# Altium PCB PCB1.PcbDoc (part 3 of 3)
Units mm, origin at the board's own origin, x right, y up, seen from the top; angles counter-clockwise.
Board outline 100 x 72 mm, 4 copper layers (Top Layer(signal), Int1 (GND), Int2 (3v3), Bottom Layer(powersupply_signals)), stack 1.509 mm thick; 175 components, 113 nets, 586 pads, 227 vias.
Unrouted connection lines stored in the file: 49.
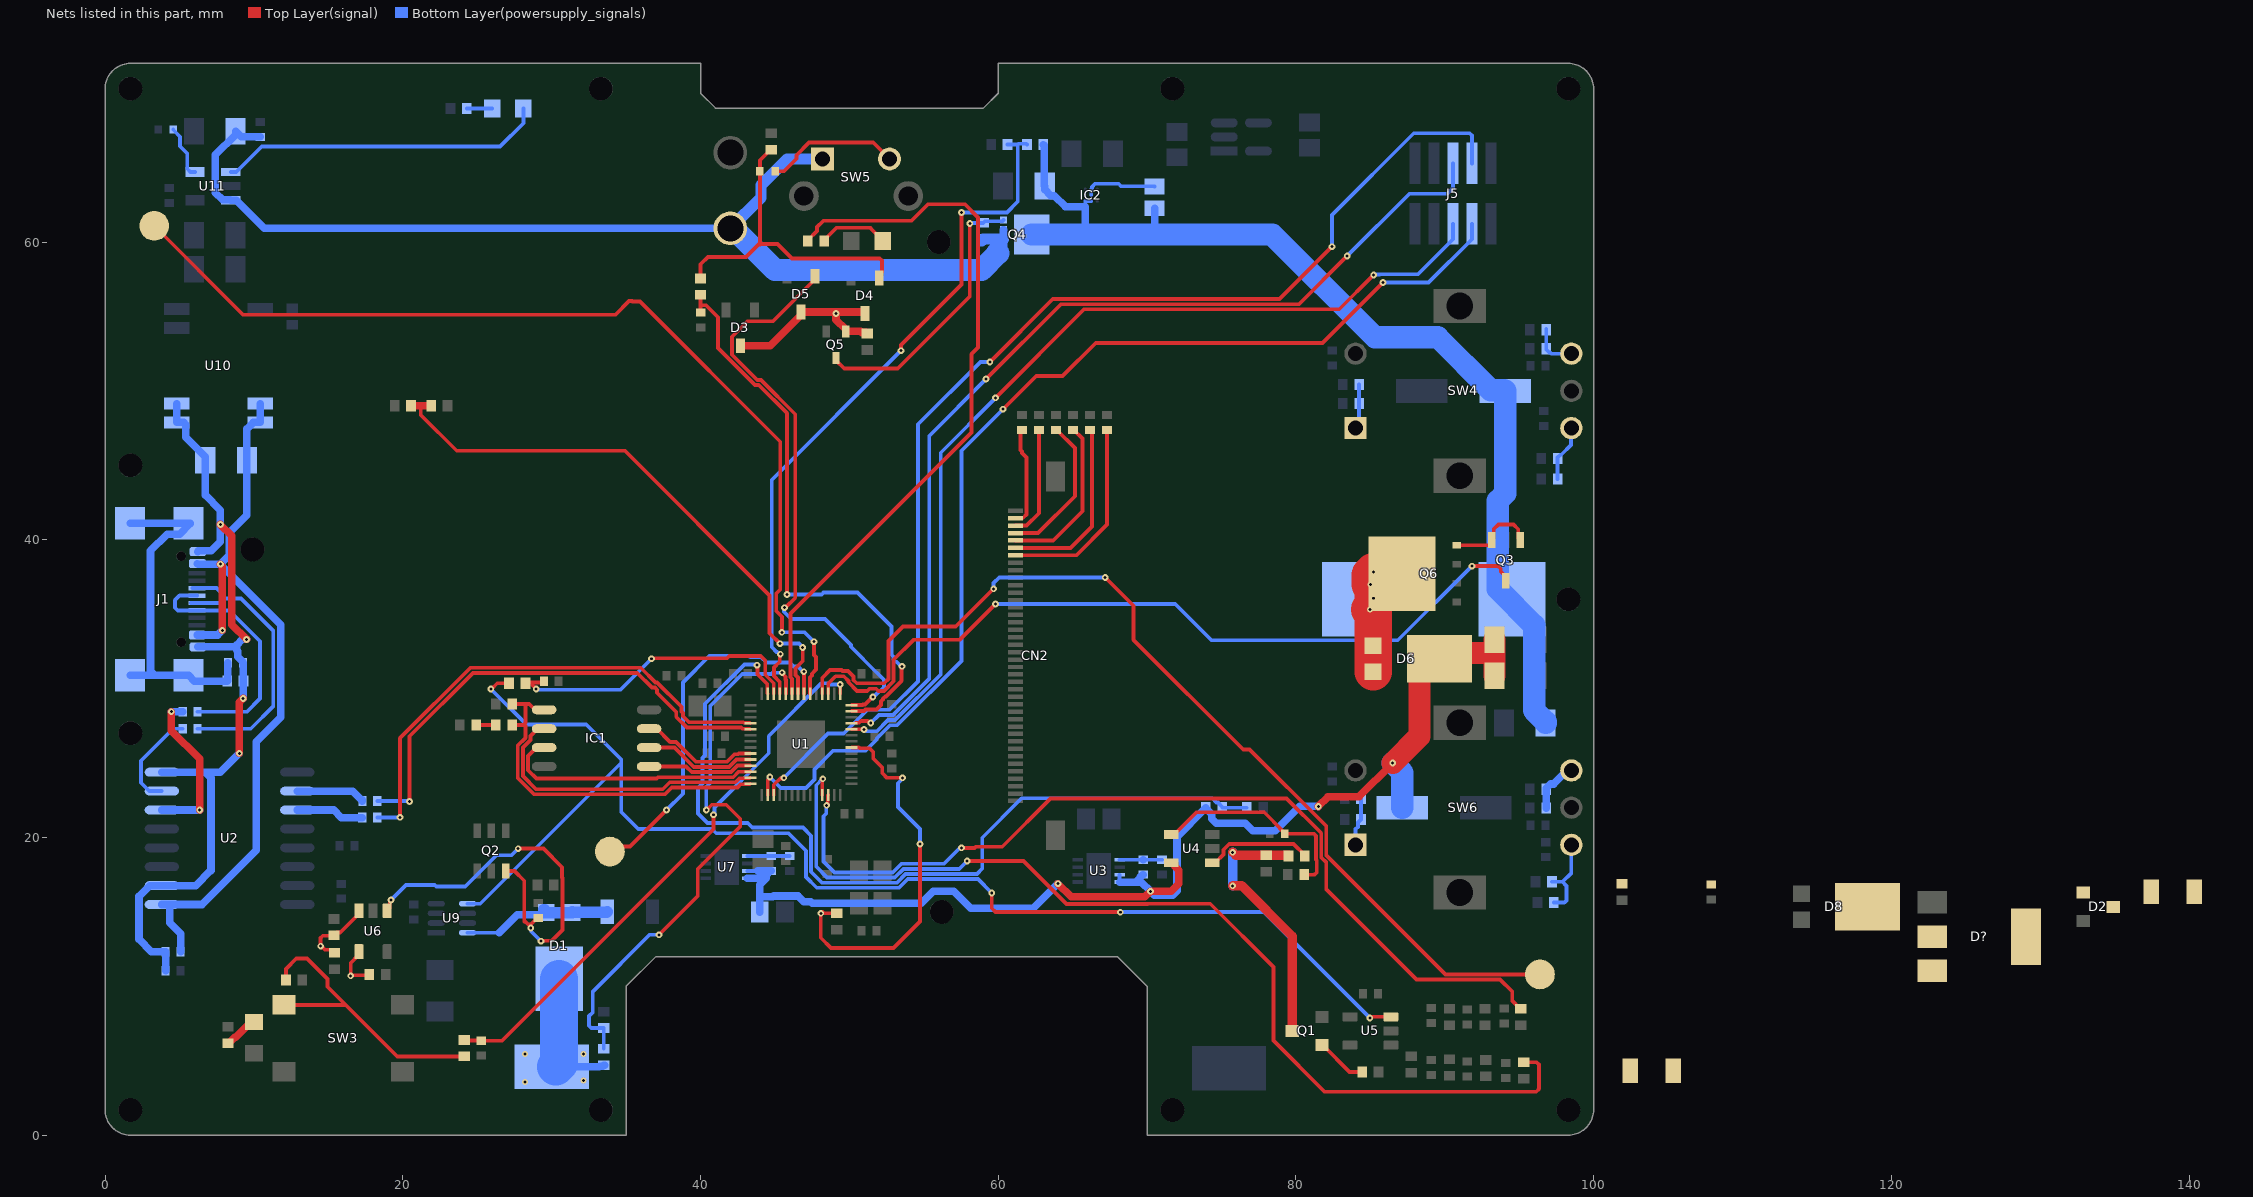
[diagram p5: the nets of this part, all layers, seen from the top]

## Via types
v1: diameter 0.45, hole 0.2, Top Layer(signal) to Bottom Layer(powersupply_signals), tented both sides, 207 vias
v2: diameter 0.4, hole 0.2, Top Layer(signal) to Bottom Layer(powersupply_signals), tented both sides, 12 vias
v3: diameter 0.5, hole 0.2, Top Layer(signal) to Bottom Layer(powersupply_signals), tented both sides, 8 vias

## Nets (pads, with @x,y where several pads share a name; then routed paths per layer and width w, separated by ;. In a path a pad name is that pad's centre, name@x,y a point inside that pad or via, vN(x,y) a via of type N, cw(c..) or ccw(c..) an arc to the next point about the centre after c; other vN are vias at no path point) (continued)
NetC40_2: C40.2 Q2.3 U6.1 | length 27.2
  Top Layer(signal) w0.254: U6.1@18.95,15.075 19.123,15.248 19.123,15.67 19.2,15.747 v1(19.2,15.8) ; Q2.3@26.9,17.75 27.501,17.75 28.162,17.089 28.162,14.354 28.21,14.354 28.402,14.162 28.612,14.162 29.05,14.6 C40.2@29.1,14.6 ; v1(27.75,19.25) 29.45,19.25 30.7,18 30.7,17.309 30.729,17.28 30.729,13.782 30.014,13.067 29.314,13.067 v1(29.276,13.029) ; v1(28.594,13.922) 28.594,14.162
  Bottom Layer(powersupply_signals) w0.254: v1(19.2,15.8) 20.207,16.807 22.15,16.807 22.257,16.7 24.2,16.7 26.3,18.8 27.3,18.8 v1(27.75,19.25) ; v1(28.594,13.922) 28.632,13.885 28.632,13.674 v1(29.276,13.029)
NetC42_2: C42.2 R46.1 U1.40 | length 20.8
  Top Layer(signal) w0.254: R46.1@28.236,30.353 28.299,30.416 28.702,30.416 ; v1(28.956,29.972) 28.702,30.226 28.702,30.416 ; C42.2@29.472,30.48 29.408,30.416 28.702,30.416 ; v1@36.674,32.033 41.786,32.033 41.933,32.18 44.05,32.18 44.346,31.884 44.346,30.931 44.921,30.356 U1.40@44.921,29.654
  Bottom Layer(powersupply_signals) w0.254: v1(28.956,29.972) 29.009,29.972 29.058,29.923 34.622,29.923 v1(36.703,32.004)
NetC43_2: C43.2 R44.1 U1.27 | length 39.8
  Top Layer(signal) w0.254: C43.2@40,55.25 40,55.753 ; R44.1@40,56.45 40,55.753 ; v1(45.806,36.326) 45.806,48.504 43.917,50.392 43.663,50.392 41.168,52.887 41.168,54.944 40.359,55.753 40,55.753 ; U1.27@50.154,28.485 50.169,28.501 50.976,28.501 51.062,28.587 51.82,28.587 52.131,28.898 52.131,29.144 52.258,29.271 52.258,29.323 52.407,29.472 52.459,29.472 53.507,30.52 53.507,31.476 v1(53.528,31.497)
  Bottom Layer(powersupply_signals) w0.254: v1(45.806,36.326) 48.141,36.326 48.264,36.449 50.546,36.449 52.832,34.163 52.832,32.28 52.947,32.165 52.947,31.953 53.096,31.804 53.168,31.804 53.475,31.497 v1(53.528,31.497)
NetC57_2: C57.2 R53.2 U7.5 | length 2.9
  Bottom Layer(powersupply_signals) w0.254: U7.5@43.15,18.75 R53.2@44.75,18.75 C57.2@46,18.75
NetC58_2: C58.2 R57.2 U3.5 | length 2.9
  Bottom Layer(powersupply_signals) w0.254: U3.5@68.15,18.5 R57.2@69.75,18.5 C58.2@71,18.5
NetC59_2: C59.2 D2.1 D?.3 R62.2
NetCN2_34: CN2.34 R1.1 | length 13.4
  Top Layer(signal) w0.254: CN2.34@61.15,38.95 65.239,38.95 67.31,41.021 R1.1@67.31,47.379
NetCN2_35: CN2.35 R2.1 | length 12.3
  Top Layer(signal) w0.254: CN2.35@61.15,39.45 64.85,39.45 66.294,40.894 66.294,47.252 R2.1@66.167,47.379
NetCN2_36: CN2.36 R3.1 | length 11.1
  Top Layer(signal) w0.254: CN2.36@61.15,39.95 63.699,39.95 65.659,41.91 65.659,46.794 65.074,47.379 R3.1@65.024,47.379
NetCN2_37: CN2.37 R4.1 | length 10
  Top Layer(signal) w0.254: CN2.37@61.15,40.45 62.675,40.45 65.151,42.926 65.151,46.159 63.931,47.379 R4.1@63.881,47.379
NetCN2_38: CN2.38 R5.1 | length 7.5
  Top Layer(signal) w0.254: CN2.38@61.15,40.95 61.905,40.95 62.738,41.783 R5.1@62.738,47.379
NetCN2_39: CN2.39 R6.1 | length 6.8
  Top Layer(signal) w0.254: CN2.39@61.15,41.45 61.173,41.473 61.682,41.473 61.904,41.695 61.904,45.517 61.595,45.826 61.595,45.932 61.495,46.032 61.495,47.279 R6.1@61.595,47.379
NetD1_1: D1.1 D2.3 D8.1 D?.2 D?.4 F?.1 R24.2 | length 9.6
  Bottom Layer(powersupply_signals) w0.508: 30,4.6 30.27,4.6 33.208,4.6 33.237,4.629 33.429,4.629 R24.2@33.5,4.7 R24.2@33.55,4.7
  Bottom Layer(powersupply_signals) w2.54: 30.27,4.6 30.5,4.83 D1.1@30.5,10.5
  other v2: 28.194,3.556 32.131,3.683 28.194,5.461 32.131,5.461
NetD1_2: D1.2 R54.2 U9.8 | length 10.4
  Bottom Layer(powersupply_signals) w0.254: U9.8@24.352,13.6 26.482,13.6
  Bottom Layer(powersupply_signals) w0.508: 26.482,13.6 27.688,14.806 29.481,14.806 D1.2@29.625,14.95
  Bottom Layer(powersupply_signals) w0.762: D1.2@29.456,15.144 29.625,14.975 D1.2@29.625,14.95 ; D1.2@29.525,15.144 29.719,14.95 D1.2@31.375,14.95 ; D1.2@31.375,15 31.4,14.975 33.7,14.975 R54.2@33.725,15
NetD3_2: D3.2 D4.2 D5.2 Q5.1 R45.1 | length 12.4
  Top Layer(signal) w0.508: D3.2@42.672,53.029 44.679,53.029 46.75,55.1 D5.2@46.75,55.3 49.1,55.3 51.008,55.3 51.054,55.254 D4.2@51.054,55.188 ; v1(49.1,55.2) 49.1,54.792 Q5.1@49.746,54.146 ; Q5.1@49.75,54 50.77,54 50.849,53.921 51.129,53.921 R45.1@51.2,53.85
NetD4_1: D4.1 R30.2 R44.2 R75.2 | length 22.1
  Top Layer(signal) w0.254: R44.2@40,57.55 40,58.5 40.5,59 43.051,59 43.926,59.875 45.162,59.875 46.137,58.9 52.034,58.9 52.183,58.751 52.183,57.967 52.177,57.961 52.177,57.761 D4.1@52.004,57.588 ; 43.992,59.809 R30.2@43.992,64.75 43.992,65.492 44.7,66.2 R75.2@44.75,66.2
NetD5_1: D5.1 U1.28 | length 40
  Top Layer(signal) w0.254: v1(45.642,35.433) 45.68,35.471 45.738,35.471 46.363,36.095 46.363,48.433 44.059,50.736 43.805,50.736 42.118,52.424 42.118,53.634 43.159,54.675 44.875,54.675 47.7,57.5 D5.1@47.7,57.7 ; U1.28@50.154,28.892 50.88,28.892 50.919,28.931 51.041,28.931 51.546,29.435 v1(51.574,29.435)
  Bottom Layer(powersupply_signals) w0.254: v1(45.642,35.433) 45.604,35.395 45.604,35.19 45.593,35.179 46.101,34.671 48.361,34.671 50.1,32.932 50.1,32.805 51.839,31.066 51.85,31.066 52.318,30.598 52.318,30.079 52.071,29.832 52.024,29.832 51.627,29.435 v1(51.574,29.435)
NetD6_2: D6.2 L2.2 Q6.2 | length 9.1
  Top Layer(signal) w2.54: D6.2@85.188,31.129 85.188,35.531 v2(84.963,35.306) 85.217,35.56 Q6.2@85.217,36.783 ; Q6.2@85.979,36.83 85.17,36.83 v2(85,37) 85,37.629 v2(85.217,37.846) Q6.2@86.044,37.846
  other v2: 85.217,36.068
NetF1_2: F1.2 J2.1
NetF?_2: F?.2 J3.1
NetIC1_1: IC1.1 R7.1 R8.1 U1.56 | length 24.8
  Top Layer(signal) w0.254: R8.1@27.347,27.559 28.087,27.559 ; R7.1@27.347,28.956 28.236,28.956 ; IC1.1@29.495,28.575 28.876,28.575 28.495,28.956 28.236,28.956 ; U1.56@43.346,23.608 43.308,23.57 42.692,23.57 42.482,23.36 38.07,23.36 37.607,22.897 28.814,22.897 27.723,23.988 27.723,26.177 28.236,26.69 28.236,27.503 28.18,27.559 28.087,27.559 ; 28.087,27.559 28.162,27.633 28.236,27.708 28.236,28.956
NetIC1_2: IC1.2 U1.55 | length 20
  Top Layer(signal) w0.254: IC1.2@29.495,27.305 29.064,27.305 28.58,26.821 28.58,26.548 28.067,26.035 28.067,24.13 28.956,23.241 37.465,23.241 37.928,23.704 42.339,23.704 42.612,23.977 43.308,23.977 U1.55@43.346,24.015
NetIC1_3: IC1.3 U1.54 | length 17.6
  Top Layer(signal) w0.254: IC1.3@29.495,26.035 28.97,26.035 28.416,25.481 28.416,24.517 28.979,23.954 37.042,23.954 37.136,24.048 42.197,24.048 42.559,24.41 43.336,24.41 U1.54@43.346,24.421
NetIC1_5: IC1.5 U1.53 | length 7.1
  Top Layer(signal) w0.254: IC1.5@36.545,24.765 39.032,24.765 39.405,24.392 42.054,24.392 42.49,24.828 U1.53@43.346,24.828
NetIC1_6: IC1.6 U1.52 | length 7.5
  Top Layer(signal) w0.254: IC1.6@36.545,26.035 38.249,26.035 39.548,24.736 41.912,24.736 42.41,25.234 U1.52@43.346,25.234
NetIC1_7: IC1.7 U1.51 | length 8
  Top Layer(signal) w0.254: IC1.7@36.545,27.305 37.07,27.305 37.959,26.416 38.354,26.416 39.69,25.08 41.769,25.08 42.277,25.588 42.531,25.588 42.584,25.64 U1.51@43.346,25.64
NetIC2_B1: IC2.B1 IC2.B2 L1.1 | length 4.9
  Bottom Layer(powersupply_signals) w0.254: IC2.B2@66.25,63.15 IC2.B1@66.25,63.55 66.291,63.591 66.291,63.699 66.501,63.909 68.091,63.909 68.25,63.75 70.476,63.75 L1.1@70.5,63.726
NetLED1_2: LED1.2 R10.1 | length 4.7
  Top Layer(signal) w0.254: R10.1@48.302,60.071 48.302,60.121 49.141,60.96 51.435,60.96 51.435,60.917 52.231,60.121 LED1.2@52.231,60.071
NetLED4_2: LED4.2 R23.1 | length 2.3
  Top Layer(signal) w0.508: R23.1@8.255,6.181 8.305,6.181 8.699,6.575 8.788,6.575 9.517,7.304 9.704,7.304 LED4.2@10,7.6
NetLED5_1: LED5.1 U11.1 | length 22
  Bottom Layer(powersupply_signals) w0.254: U11.1@8.439,64.704 8.814,64.704 10.526,66.416 26.537,66.416 28.101,67.98 LED5.1@28.101,68.961
NetLED5_2: LED5.2 R56.1 | length 1.7
  Bottom Layer(powersupply_signals) w0.254: R56.1@24.299,68.961 LED5.2@26.001,68.961
NetQ1_1: Q1.1 R39.1 | length 3.4
  Top Layer(signal) w0.254: Q1.1@81.75,6.05 81.8,6.05 83.6,4.25 R39.1@84.45,4.25
NetQ1_3: Q1.3 R29.1 R31.1 | length 17.9
  Top Layer(signal) w0.635: v1(75.75,16.75) 76.367,16.75 79.75,13.367 Q1.3@79.75,7 ; v1(75.75,19) 75.95,18.8 79.493,18.8 79.5,18.793 R31.1@79.5,18.75
  Bottom Layer(powersupply_signals) w0.635: v1(75.75,16.75) v1(75.75,19)
NetQ3_2: Q3.2 U1.31 | length 54
  Top Layer(signal) w0.254: U1.31@48.579,29.654 48.579,30.334 49.077,30.832 49.401,30.832 49.624,30.832 49.94,30.516 49.94,30.42 50.515,29.845 51.196,29.845 51.343,29.992 51.805,29.992 51.952,29.845 52.324,29.845 52.971,30.492 52.971,31.94 54.305,33.274 57.404,33.274 v1(59.817,35.687) ; v1(91.821,38.227) 93.577,38.227 93.757,38.047 93.757,37.858 94.107,37.508 Q3.2@94.107,37.233
  Bottom Layer(powersupply_signals) w0.254: v1(59.817,35.687) 71.892,35.687 74.333,33.246 86.84,33.246 v1(91.821,38.227)
NetQ3_4: Q3.4 Q3.6 Q6.3 | length 6.1
  Top Layer(signal) w0.254: Q6.3@90.797,39.624 93.034,39.624 93.157,39.747 Q3.6@93.157,39.983 93.28,40.106 93.28,40.702 93.599,41.021 94.615,41.021 94.934,40.702 94.934,40.106 Q3.4@95.057,39.983
NetQ4_1: Q4.1 Q5.3 R72.2 | length 18.6
  Top Layer(signal) w0.254: Q5.3@49.1,52.2 49.1,52.05 49.65,51.5 53.25,51.5 58.088,56.338 v1(58.088,61.25)
  Bottom Layer(powersupply_signals) w0.254: v1(58.088,61.25) 58.113,61.275 58.975,61.275 59.088,61.388 60.264,61.388 Q4.1@60.352,61.475
NetR8_2: R8.2 R11.2 | length 1.3
  Top Layer(signal) w0.254: R11.2@24.934,27.559 R8.2@26.247,27.559
NetR9_1: R9.1 U1.21 | length 25.5
  Top Layer(signal) w0.254: v1(48.078,14.904) 48.078,13.263 48.768,12.573 52.959,12.573 54.737,14.351 v1(54.737,19.558) ; v1@48.133,14.986 48.186,14.986 48.271,14.901 R9.1@49.149,14.901 ; U1.21@50.154,26.047 50.635,26.047 50.696,25.986 51.357,25.986 51.601,25.742 51.601,25.309 52.209,24.701 52.209,24.32 52.526,24.003 v1(53.568,24.003)
  Bottom Layer(powersupply_signals) w0.254: v1(53.568,24.003) 53.568,23.95 53.262,23.644 53.262,22.049 54.737,20.574 v1(54.737,19.558)
NetR10_2: R10.2 U1.37 | length 50.3
  Top Layer(signal) w0.254: U1.37@46.14,29.654 46.14,30.664 46.043,30.762 46.043,35.046 58.203,47.206 58.203,52.466 58.645,52.908 58.645,61.65 57.762,62.533 55.275,62.533 54.168,61.426 48.253,61.426 47.826,61 47.826,60.746 47.202,60.121 R10.2@47.202,60.071
NetR13_2: R13.2 U2.7 | length 6.8
  Bottom Layer(powersupply_signals) w0.254: U2.7@3.81,23.114 2.96,23.114 2.406,23.668 2.406,25.152 4.559,27.305 R13.2@5.215,27.305
NetR14_1: R14.1 U2.10 | length 4.7
  Bottom Layer(powersupply_signals) w0.508: U2.10@12.91,23.114 13.44,23.114 16.62,23.114 17.215,22.519 17.265,22.519 17.286,22.498 R14.1@17.286,22.448
NetR14_2: R14.2 U1.47 | length 33.1
  Top Layer(signal) w0.254: v1(20.447,22.417) 20.447,26.797 24.704,31.054 35.748,31.054 36.732,30.07 36.935,30.07 37.084,29.921 37.084,29.718 38.372,28.43 38.372,28.101 39.082,27.391 42.733,27.391 42.82,27.304 43.308,27.304 U1.47@43.346,27.266
  Bottom Layer(powersupply_signals) w0.254: R14.2@18.286,22.448 20.416,22.448 v1(20.447,22.417)
NetR15_2: R15.2 U2.6 | length 10.7
  Top Layer(signal) w0.508: v1(4.445,28.448) 4.445,27.178 6.35,25.273 v1(6.35,21.844)
  Bottom Layer(powersupply_signals) w0.508: U2.6@3.81,21.844 4.064,21.844 v1(6.35,21.844) ; v1(4.445,28.448) R15.2@5.215,28.448
NetR16_1: R16.1 U2.11 | length 4.6
  Bottom Layer(powersupply_signals) w0.508: U2.11@12.91,21.844 13.44,21.844 15.367,21.844 15.875,21.336 R16.1@17.28,21.336
NetR16_2: R16.2 U1.46 | length 34.2
  Top Layer(signal) w0.254: v1(19.806,21.351) 19.806,21.436 19.812,21.442 19.812,26.67 24.54,31.398 35.987,31.398 36.971,30.414 37.078,30.414 38.716,28.775 38.716,28.467 38.813,28.37 38.813,28.147 39.225,27.735 42.876,27.735 42.9,27.711 43.308,27.711 U1.46@43.346,27.672
  Bottom Layer(powersupply_signals) w0.254: R16.2@18.28,21.336 18.288,21.344 19.799,21.344 v1(19.806,21.351)
NetR17_1: R17.1 R18.2 SW6.5 | length 5.7
  Bottom Layer(powersupply_signals) w0.254: R18.2@97.197,17.018 97.903,17.018 ; R17.1@97.324,15.621 98.03,15.621 98.179,15.77 98.179,16.742 97.903,17.018 ; SW6.5@98.5,19.5 98.5,17.615 97.903,17.018
NetR19_1: R19.1 R20.2 SW4.5 | length 3.8
  Bottom Layer(powersupply_signals) w0.254: R19.1@97.578,44.069 R20.2@97.578,45.466 97.578,45.516 97.776,45.714 97.826,45.714 98.481,46.369 98.481,47.481 SW4.5@98.5,47.5
NetR21_1: R21.1 R22.2 SW4.3 | length 3.2
  Bottom Layer(powersupply_signals) w0.254: R21.1@96.816,54.152 R22.2@96.816,52.832 96.816,52.782 97.014,52.584 97.064,52.584 97.148,52.5 SW4.3@98.5,52.5
NetR24_1: R24.1 R25.2 U1.38 | length 38.1
  Top Layer(signal) w0.254: v1(37.211,13.462) 39.815,16.066 39.815,17.881 42.672,20.738 42.672,21.256 41.731,22.198 40.754,22.198 40.401,21.844 v1(40.386,21.844) ; v1(45.486,31.066) 45.486,31.013 45.699,30.8 45.699,30.619 45.741,30.577 45.741,29.66 U1.38@45.734,29.654
  Bottom Layer(powersupply_signals) w0.254: R24.1@33.5,5.8 R25.2@33.5,7.2 32.661,7.2 32.512,7.349 32.512,8.001 32.766,8.255 32.766,9.652 36.576,13.462 v1(37.211,13.462) ; v1(40.386,21.844) 40.386,23.394 40.652,23.66 40.652,28.837 42.803,30.988 44.753,30.988 44.83,31.066 v1(45.486,31.066)
NetR26_2: R26.2 R27.1 U4.4 | length 14.4
  Top Layer(signal) w0.254: U4.4@71.625,20.2 71.825,20.2 73.313,21.688 77.87,21.688 78.503,21.056 78.503,21.03 79.258,20.275 R26.2@79.258,20.25 81.205,20.25 81.354,20.101 81.354,18.511 81.399,18.466 81.399,17.649 81.25,17.5 R27.1@80.55,17.5
NetR28_2: R28.2 U11.5 | length 3.6
  Bottom Layer(powersupply_signals) w0.254: R28.2@4.572,67.564 4.572,67.539 5.037,67.074 5.037,66.432 5.516,65.953 5.516,64.927 5.739,64.704 U11.5@6.039,64.704
NetR30_1: R30.1 SW5.2 | length 9.1
  Top Layer(signal) w0.254: R30.1@45.008,64.75 45.609,64.75 46.452,65.593 46.452,65.834 47.295,66.677 51.603,66.677 SW5.2@52.7,65.58
NetR31_2: R31.2 U4.1 | length 7.3
  Top Layer(signal) w0.254: U4.1@74.375,18.3 74.575,18.3 75.134,18.859 75.134,19.171 75.519,19.557 79.843,19.557 80.6,18.8 R31.2@80.6,18.75
NetR32_1: R32.1 U1.12 | length 62
  Top Layer(signal) w0.254: v1(48.478,22.16) 48.478,22.213 48.541,22.276 48.541,22.808 U1.12@48.579,22.846 ; v1(57.531,19.304) 57.545,19.29 58.403,19.29 58.482,19.369 60.263,19.369 63.505,22.611 79.375,22.611 81.698,20.288 81.698,18.654 82.042,18.31 82.042,16.51 88.101,10.451 93.715,10.451 94.537,9.629 94.537,9.008 95.054,8.491 R32.1@95.104,8.491
  Bottom Layer(powersupply_signals) w0.254: v1(48.478,22.16) 48.44,22.122 48.44,21.607 48.26,21.427 48.26,18.38 48.99,17.65 52.91,17.65 53.491,18.231 56.353,18.231 57.426,19.304 v1(57.531,19.304)
NetR35_1: R35.1 U1.11 | length 68.6
  Top Layer(signal) w0.254: U1.11@48.172,22.846 48.172,23.84 48.216,23.883 v1(48.216,23.936) ; v1(57.912,18.415) 61.696,18.415 64.58,15.531 70.045,15.531 70.057,15.543 74.246,15.543 78.486,11.303 78.486,6.35 81.915,2.921 96.139,2.921 96.328,3.11 96.328,4.742 96.179,4.891 R35.1@95.304,4.891
  Bottom Layer(powersupply_signals) w0.254: v1(48.216,23.936) 48.198,23.936 47.768,23.507 47.768,18.04 48.502,17.306 53.053,17.306 53.634,17.887 57.384,17.887 v1(57.912,18.415)
NetR40_1: R40.1 R41.2 U6.3 | length 5.1
  Top Layer(signal) w0.254: R41.2@15.4,12.25 15.202,12.448 14.783,12.448 14.531,12.7 v1(14.478,12.7) 14.478,13.244 14.627,13.393 15.34,13.393 15.565,13.618 15.793,13.618 17.05,14.875 U6.3@17.05,15.075
NetR42_2: R42.2 U6.4 | length 2.9
  Top Layer(signal) w0.254: v1(16.5,10.7) v1@16.538,10.738 ; U6.4@16.957,12.159 16.957,12.032 16.5,11.575 16.5,10.775 v1@16.538,10.738 ; R42.2@17.75,10.8 17.688,10.738 v1@16.538,10.738
NetR46_2: R46.2 U5.3 U9.5 | length 89.5
  Top Layer(signal) w0.254: v1(25.908,29.972) 25.961,29.972 26.342,30.353 R46.2@27.136,30.353 ; v1(59.563,16.268) 59.563,15.24 59.817,14.986 68.187,14.986 v1(68.199,14.974) ; v1(84.963,7.874) 85.039,7.95 U5.3@86.375,7.95
  Bottom Layer(powersupply_signals) w0.254: U9.5@24.352,15.55 25.202,15.55 34.671,25.019 ; v1(25.908,29.972) 28.298,27.582 32.318,27.582 34.671,25.229 34.671,25.019 ; v1(59.563,16.268) 58.632,17.199 53.919,17.199 53.338,16.618 47.81,16.618 47.08,17.348 47.08,19.106 45.903,20.283 41.058,20.283 40.767,20.574 35.814,20.574 34.671,21.717 34.671,25.019 ; v1(68.199,14.974) 68.211,14.986 77.851,14.986 v1(84.963,7.874)
NetR47_1: R47.1 R48.1 SW3.1 | length 20.2
  Top Layer(signal) w0.254: SW3.1@12.025,8.75 16.162,8.75 ; R47.1@12.15,10.414 12.15,11.17 12.84,11.86 13.566,11.86 14.943,10.483 14.943,9.969 16.162,8.75 ; R48.1@24.13,5.292 19.62,5.292 16.162,8.75
NetR49_1: R49.1 R50.1 SW6.1 | length 3.3
  Bottom Layer(powersupply_signals) w0.254: SW6.1@84,19.5 84,20.558 84.149,20.707 84.172,20.707 84.172,21.011 R49.1@84.37,21.209 R50.1@84.37,22.606
NetR51_1: R51.1 R52.1 SW4.1 | length 3
  Bottom Layer(powersupply_signals) w0.254: SW4.1@84,47.5 84.243,47.743 R51.1@84.243,49.149 R52.1@84.243,50.419
NetR58_1: R58.1 R59.2 SW6.3 | length 3.5
  Bottom Layer(powersupply_signals) w0.508: R59.2@96.816,21.971 R58.1@96.816,23.241 96.816,23.291 97.117,23.592 97.323,23.592 98.232,24.5 SW6.3@98.5,24.5
NetR60_1: R60.1 R61.2 U1.36 | length 39
  Top Layer(signal) w0.254: 21.209,49 21.209,48.387 23.622,45.974 34.925,45.974 44.639,36.26 44.639,33.72 v1(45.339,33.02) ; U1.36@46.547,29.654 46.547,30.744 46.387,30.904 46.387,31.366 46.863,31.842 v1(46.863,32.766)
  Top Layer(signal) w0.508: R60.1@20.55,49 21.209,49 R61.2@21.9,49
  Bottom Layer(powersupply_signals) w0.254: v1(45.339,33.02) 46.609,33.02 v1(46.863,32.766)
NetR63_1: R63.1 R70.2 U1.39 | length 47.5
  Top Layer(signal) w0.254: U1.39@45.328,29.654 45.328,30.436 44.929,30.835 44.929,31.414 45.32,31.805 45.32,32.276 v1(45.357,32.313) ; v1(53.467,52.705) 53.467,53.086 57.531,57.15 v1(57.531,61.976)
  Bottom Layer(powersupply_signals) w0.254: v1(45.357,32.313) 45.304,32.313 45.155,32.463 45.106,32.463 44.782,32.787 44.782,44.02 v1(53.467,52.705) ; v1(57.531,61.976) 60.579,61.976 61.315,62.712 61.315,66.548 ; R70.2@60.621,66.548 61.315,66.548 ; R63.1@61.934,66.548 61.885,66.597 61.364,66.597 61.315,66.548
NetR64_1: R64.1 R65.2 U1.41 | length 58.5
  Top Layer(signal) w0.254: v1(43.789,31.574) 43.823,31.541 43.823,30.968 44.477,30.314 44.477,29.692 U1.41@44.515,29.654
  Bottom Layer(powersupply_signals) w0.254: v1(43.789,31.574) 43.752,31.612 43.191,31.612 43.179,31.623 42.952,31.623 40.308,28.979 40.308,25.513 40.132,25.337 40.132,23.626 39.829,23.323 39.829,21.613 40.474,20.968 43.167,20.968 43.471,20.664 46.878,20.664 47.424,20.118 47.424,17.692 48.154,16.962 53.195,16.962 53.776,17.543 58.564,17.543 58.928,17.907 58.928,19.985 61.572,22.629 74.38,22.629 74.665,22.344 74.756,22.344 75.05,22.05 R64.1@75.05,22 R65.2@76.7,22
NetTP1_1: TP1.1 U1.32 | length 68.2
  Top Layer(signal) w0.254: U1.32@48.172,29.654 48.172,30.717 48.697,31.242 49.478,31.242 49.544,31.176 49.911,31.176 50.284,30.803 50.284,30.563 50.494,30.353 52.346,30.353 52.627,30.634 52.627,33.196 53.594,34.163 57.15,34.163 v1(59.69,36.703) ; v1(67.183,37.465) 69.088,35.56 69.088,33.274 76.454,25.908 76.883,25.908 82.042,20.749 82.042,18.796 90.043,10.795 TP1.1@96.393,10.795
  Bottom Layer(powersupply_signals) w0.254: v1(59.69,36.703) 59.69,37.084 60.071,37.465 v1(67.183,37.465)
NetTP2_1: TP2.1 U1.34 | length 68
  Top Layer(signal) w0.254: TP2.1@3.302,61.087 9.271,55.118 34.29,55.118 35.201,56.029 35.411,56.029 35.433,56.007 35.941,56.007 45.361,46.587 45.361,36.661 45.085,36.385 45.085,35.202 45.466,34.821 v1(45.466,33.782) ; U1.34@47.36,29.654 47.36,30.763 47.484,30.888 47.484,31.002 47.762,31.28 47.762,32.121 47.625,32.258 v1(47.625,33.147)
  Bottom Layer(powersupply_signals) w0.254: v1(45.466,33.782) 46.99,33.782 v1(47.625,33.147)
NetTP3_1: TP3.1 U1.35 | length 24.8
  Top Layer(signal) w0.254: TP3.1@33.909,19.05 34.243,19.384 35.259,19.384 v1(37.719,21.844) ; v1(46.944,31.135) 46.948,31.13 46.948,29.658 U1.35@46.953,29.654
  Bottom Layer(powersupply_signals) w0.254: v1(37.719,21.844) 38.813,22.938 38.813,30.405 40.588,32.18 43.284,32.18 43.333,32.131 44.069,32.131 44.45,31.75 45.974,31.75 46.248,31.476 46.549,31.476 46.89,31.135 v1(46.944,31.135)
SWCLK: J5.5 U1.24 | length 63.9
  Top Layer(signal) w0.254: U1.24@50.154,27.266 50.159,27.261 50.974,27.261 v1(50.979,27.256) ; v1(59.817,49.53) 65.767,55.48 82.912,55.48 v1(85.217,57.785)
  Bottom Layer(powersupply_signals) w0.254: v1(50.979,27.256) 51.032,27.256 51.159,27.129 51.845,27.129 52.603,27.887 53.072,27.887 56.134,30.949 56.134,45.847 v1(59.817,49.53) ; v1(85.217,57.785) 85.255,57.823 85.61,57.823 85.621,57.834 88.198,57.834 90.551,60.187 J5.5@90.551,61.214
SWDIO: J5.6 U1.25 | length 66.3
  Top Layer(signal) w0.254: U1.25@50.433,27.711 50.646,27.711 50.734,27.798 50.808,27.798 50.822,27.813 51.223,27.813 51.392,27.643 v1(51.435,27.686) ; v1(59.182,50.8) 64.206,55.824 80.208,55.824 v1(83.439,59.055)
  Bottom Layer(powersupply_signals) w0.254: v1(51.435,27.686) 51.98,28.231 52.929,28.231 55.372,30.674 55.372,46.99 v1(59.182,50.8) ; v1(83.439,59.055) 87.63,63.246 90.17,63.246 90.551,63.627 J5.6@90.551,65.279
SWITCH_OUTPUT_ON/OFF: C44.2 R48.2 U1.29 | length 37.4
  Top Layer(signal) w0.254: R48.2@24.13,6.392 24.155,6.367 25.248,6.367 C44.2@25.273,6.342 26.662,6.342 40.869,20.549 v1(40.869,21.525) ; v1(49.383,30.275) 49.387,30.271 49.387,29.658 U1.29@49.392,29.654
  Bottom Layer(powersupply_signals) w0.254: v1(40.869,21.525) 40.907,21.562 40.907,21.615 40.943,21.652 40.943,22.02 44.577,25.654 44.577,26.805 48.137,30.365 48.65,30.365 48.74,30.275 v1(49.383,30.275)
UART_RX: J5.3 U1.2 | length 73.7
  Top Layer(signal) w0.254: U1.2@44.515,22.846 44.515,23.862 44.653,24.001 v1(44.653,24.054) ; v1(60.325,48.768) 62.547,50.99 64.325,50.99 66.548,53.213 81.788,53.213 v1(85.852,57.277)
  Bottom Layer(powersupply_signals) w0.254: v1(44.653,24.054) 45.388,23.319 47.094,23.319 47.659,23.884 47.659,24.571 48.918,25.83 51.098,25.83 51.841,26.573 51.841,26.639 52.745,27.543 53.214,27.543 57.531,31.86 57.531,45.974 v1(60.325,48.768) ; v1(85.852,57.277) 88.911,57.277 91.821,60.187 J5.3@91.821,61.214
UART_TX: J5.4 U1.3 | length 79
  Top Layer(signal) w0.254: U1.3@44.921,22.846 44.921,23.534 45.353,23.965 45.555,23.965 v1(45.593,24.003) ; v1(59.436,51.943) 63.661,56.168 78.901,56.168 v1(82.423,59.69)
  Bottom Layer(powersupply_signals) w0.254: v1(45.593,24.003) 48.563,26.973 49.618,26.973 51.22,28.575 52.705,28.575 54.61,30.48 54.61,47.752 58.801,51.943 v1(59.436,51.943) ; v1(82.423,59.69) 82.423,61.818 87.915,67.31 91.672,67.31 91.821,67.161 J5.4@91.821,65.279
"USB Sheald": C23.2 J1.1 J1.2 J1.3 J1.4 R12.2 | length 23.9
  Bottom Layer(powersupply_signals) w0.508: J1.3@1.675,30.89 3.346,30.89 ; J1.4@1.675,41.11 J1.2@5.605,41.11 5.695,41.11 5.715,41.09 5.004,40.379 4.184,40.379 3.048,39.243 3.048,31.188 3.346,30.89 ; C23.2@8.25,31.75 8.234,31.734 8.234,30.534 R12.2@8.2,30.5 5.995,30.5 J1.1@5.605,30.89 3.346,30.89
USB_D+: J1.A6 J1.B6 R13.1 | length 19.9
  Bottom Layer(powersupply_signals) w0.254: J1.A6@5.75,35.75 J1.A6@6.18,35.75 7.68,35.75 7.981,36.051 ; J1.B6@5.85,36.75 J1.B6@6.18,36.75 7.493,36.75 7.981,36.262 7.981,36.051 ; R13.1@6.215,27.305 9.779,27.305 11.303,28.829 11.303,33.876 9.127,36.051 7.981,36.051
USB_D-: J1.A7 J1.B7 R15.1 | length 17.2
  Bottom Layer(powersupply_signals) w0.254: J1.A7@6.18,36.25 5.008,36.25 4.699,35.941 4.699,35.433 4.882,35.25 J1.B7@6.18,35.25 8.338,35.25 10.414,33.174 10.414,29.337 9.525,28.448 R15.1@6.215,28.448
USB_GND: C23.1 C24.1 C25.2 C51.1 J1.A1-B12 J1.B1-A12 R12.1 U2.2 U2.8 U10.1 U10.2 | length 56.4
  Top Layer(signal) w0.508: v1(7.747,41.021) 8.509,40.259 8.509,34.291 v1(9.5,33.3) ; v1(9.017,25.654) 9.017,29.083 v1(9.271,29.337)
  Bottom Layer(powersupply_signals) w0.508: U2.8@3.81,24.384 4.34,24.384 6.731,24.384 ; C25.2@4.072,11.049 C24.1@4.072,12.319 3.107,12.319 2.279,13.147 2.279,16.058 2.985,16.764 U2.2@3.81,16.764 6.096,16.764 7.112,17.78 7.112,24.003 6.731,24.384 ; U10.2@4.82,49.149 U10.1@4.82,47.879 5.27,47.879 5.416,47.733 5.416,46.876 6.728,45.564 C51.1@6.728,45.339 6.728,43.005 7.747,41.986 v1(7.747,41.021) 7.747,39.878 7.115,39.246 6.276,39.246 J1.B1-A12@6.23,39.2 ; J1.A1-B12@6.23,32.8 8.834,32.8 ; v1(9.017,25.654) 7.747,24.384 6.731,24.384 ; C23.1@9.25,31.75 C23.1@9.266,31.75 ; v1(9.271,29.337) 9.271,30.616 9.266,30.621 C23.1@9.266,31.75 ; v1(9.5,33.3) 9.207,33.3 8.834,32.927 8.834,32.8 ; 8.834,32.8 8.834,32.57 8.901,32.503 8.901,32.149 9.234,31.816 9.234,31.782 C23.1@9.266,31.75
USB_VBUS: C24.2 C51.2 J1.A4-B9 J1.B4-A9 U2.1 U10.13 U10.14 | length 52.9
  Top Layer(signal) w0.508: v1(7.747,38.354) 7.874,38.227 v1(7.874,33.909)
  Bottom Layer(powersupply_signals) w0.508: U2.1@3.81,15.494 4.298,15.494 4.34,15.452 4.34,14.276 5.072,13.544 C24.2@5.072,12.319 ; U2.1@4.34,15.494 6.508,15.494 10.16,19.146 10.16,26.416 11.811,28.067 11.811,34.29 v1(7.747,38.354) ; J1.A4-B9@6.2,33.6 7.565,33.6 v1(7.874,33.909) ; J1.B4-A9@6.2,38.4 6.246,38.354 v1(7.747,38.354) ; U10.13@10.42,49.149 U10.14@10.42,47.879 9.97,47.879 9.528,47.437 C51.2@9.528,45.339 9.528,41.659 8.345,40.476 8.345,38.952 v1(7.747,38.354)
V_BOOST: C20.1 C22.2 C30.2 C55.2 D6.1 R53.1 R57.1 R64.2 U3.7 U3.8 U4.5 U7.7 U7.8 | length 83.5
  Top Layer(signal) w0.508: v1(64.008,16.891) 64.897,16.002 69.85,16.002 v1(70.231,16.383) 71.628,16.383 72.136,16.891 72.136,17.789 71.871,18.054 71.871,18.254 71.825,18.3 U4.5@71.625,18.3 ; v1(81.5,22.079) 82.154,22.733 84.233,22.733 v1(86.5,25)
  Top Layer(signal) w1.5: v1(86.5,25) 88.3,26.8 88.3,31.154 89.15,32.004 D6.1@89.638,32.004 90.019,32.385 C55.2@93.342,32.385 ; C22.2@93.342,30.861 C55.2@93.342,32.385 ; C55.2@93.342,33.274 C55.2@93.342,32.385
  Bottom Layer(powersupply_signals) w0.254: U7.7@43.15,17.75 43.843,17.75 ; U3.8@68.15,17 U3.7@68.15,17.5
  Bottom Layer(powersupply_signals) w0.508: U7.8@43.15,17.25 44.25,17.25 ; 43.843,17.75 R53.1@44.7,17.75 ; C30.2@43.981,14.986 43.981,16.002 ; R53.1@44.75,17.75 R53.1@44.7,17.75 ; v1(64.008,16.891) 62.357,15.24 58.166,15.24 57.022,16.384 55.627,16.384 54.83,15.588 47.5,15.588 47.418,15.67 46.944,15.67 46.547,16.067 44.923,16.067 44.858,16.002 43.981,16.002 ; U3.8@68.15,17 69.25,17 ; R57.1@69.75,17.5 69.7,17.5 69.548,17.348 69.548,17.298 69.25,17 ; R64.2@73.95,22 R64.2@73.95,21.95 ; v1(81.5,22.079) 81.481,22.098 80.264,22.098 78.613,20.447 77.089,20.447 76.581,20.955 74.642,20.955 74.344,21.253 74.344,21.556 R64.2@73.95,21.95 ; 43.981,16.002 43.981,16.829 44.402,17.25 44.402,17.452 R53.1@44.7,17.75 ; 69.25,17 69.614,17 v1(70.231,16.383) 70.485,16.129 71.711,16.129 72.009,16.427 72.009,20.059 73.829,21.879 73.879,21.879 R64.2@73.95,21.95
  Bottom Layer(powersupply_signals) w1.5: v1(86.5,25) 87.15,24.35 C20.1@87.15,22
VBAT: C19.1 C21.2 C56.2 IC2.A3 IC2.B3 L1.2 L2.1 Q4.4 R63.2 | length 70.7
  Bottom Layer(powersupply_signals) w0.254: 65.85,62.357 IC2.A3@65.85,62.664 ; IC2.A3@65.85,62.75 IC2.B3@66.25,62.75
  Bottom Layer(powersupply_signals) w0.508: R63.2@63.034,66.548 63.078,66.504 63.078,63.798 C56.2@63.122,63.754 63.122,63.529 63.543,63.108 63.768,63.108 64.519,62.357 65.85,62.357 65.85,60.65 66,60.5 ; 70.5,60.5 L1.2@70.5,62.274
  Bottom Layer(powersupply_signals) w1.5: Q4.4@62.25,60.5 66,60.5 70.5,60.5 78.404,60.5 85.304,53.6 89.525,53.6 93.075,50.05 94,50.05 C19.1@94.05,50 94.05,43.106 93.562,42.618 93.562,36.688 96,34.25 96,28.538 96.777,27.761 C21.2@96.777,27.686
VBAT_neveroff: C53.2 C54.2 F1.1 Q4.3 R72.1 SW5.1 U11.3 | length 74.5
  Bottom Layer(powersupply_signals) w0.508: C54.2@10.414,67.064 9.139,67.064 C53.2@8.766,67.437 8.766,67.212 7.408,65.854 7.408,63.321 7.904,62.825 8.418,62.825 U11.3@8.439,62.804 8.814,62.804 10.698,60.92 42,60.92 ; 60,59.25 60.275,59.525 Q4.3@60.352,59.525 Q4.3@60.352,60.175 Q4.3@60.352,60.825
  Bottom Layer(powersupply_signals) w0.762: 42,60.92 44.058,62.978 44.058,63.808 45.83,65.58 SW5.1@48.2,65.58 ; R72.1@58.875,60.075 R72.1@58.891,60.091 ; R72.1@59,60.2 60.327,60.2 Q4.3@60.352,60.175 59.588,59.412
  Bottom Layer(powersupply_signals) w1.5: 42,60.92 42.206,60.92 45.006,58.12 58.87,58.12 60,59.25
pads on no net: CN2.4 CN2.5 CN2.6 CN2.31 CN2.32 CN2.41 CN2.42 D2.2 D3.3 D4.3 D5.3 J1.5 J1.6 J1.A5 J1.A8 J1.B5 J1.B8 J5.2 J5.7 J5.8 J5.9 J5.10 Q3.5 SW3.2 SW3.3 U3.6 U7.6 U9.6 U12.4
copper on no net: | length 0.9
  Bottom Layer(powersupply_signals) w0.254: 54.043,36.869 54.043,37.757

## Polygon pours and split planes (outlines as drawn)
3V3 on Int2 (3v3) "3V3_L03_P041" (solid, pour order 41): 1.707,72 ccw(c1.707,70.293) 0.5,71.5 ccw(c1.707,70.293) 0,70.293 0,1.707 ccw(c1.707,1.707) 0.5,0.5 ccw(c1.707,1.707) 1.707,0 35,0 35,10 37,12 68,12 70,10 70,0 98.293,0 ccw(c98.293,1.707) 99.5,0.5 ccw(c98.293,1.707) 100,1.707 100,70.293 ccw(c98.293,70.293) 99.5,71.5 ccw(c98.293,70.293) 98.293,72 60,72 60,69 40,69 40,72
NetC31_2 on Int2 (3v3) "NETC31_2_L03_P038" (solid, pour order 38): 34.375,12.375 34.398,12.398 71.408,12.408 72,13 72,21 71.001,21.129 31.5,21.377 31.5,15.25
NetD1_1 on Top Layer(signal) "netc31_2" (solid, pour order 42): 27.305,6.477 27.305,2.921 32.893,2.921 32.766,3.048 32.766,6.477
NetC31_2 on Bottom Layer(powersupply_signals) "NETC31_2_L04_P037" (solid, pour order 37): 32.5,22 32.5,17.25 34.25,17.25 38.75,12.75 68.5,12.75 70.25,14.5 70.25,22 36,22
GND on Int1 (GND) "GND_L02_P039" (solid, pour order 39): 1.707,72 ccw(c1.707,70.293) 0.5,71.5 ccw(c1.707,70.293) 0,70.293 0,1.707 ccw(c1.707,1.707) 0.5,0.5 ccw(c1.707,1.707) 1.707,0 35,0 35,10 37,12 68,12 70,10 70,0 98.293,0 ccw(c98.293,1.707) 99.5,0.5 ccw(c98.293,1.707) 100,1.707 100,70.293 ccw(c98.293,70.293) 99.5,71.5 ccw(c98.293,70.293) 98.293,72 60,72 60,69 40,69 40,72

## Keep-outs
Top Layer(signal):
  rectangle: 65,22 81.5,43.25
  lines w5: 0,66 10,66 10,13 1,13 ; 56,39 56,65 ; 56,41 56,13 83,13 ; 57,65 84,65
  lines w15: 15,39 25.4,39 ; 25.4,40 28.5,40 ; 28.5,39 37.3,39 50,39
Keep-Out Layer:
  lines w2: 1,1 1,71 99.4,71 99.4,1 1,1

## Other copper
Bottom Layer(powersupply_signals):
  region: 28.916,48.025 28.916,47.884 28.845,47.884 28.845,48.025
  region: 28.703,48.167 28.703,48.238 28.774,48.238 28.774,48.167
  region: 26.433,48.096 26.433,48.167 26.504,48.167 26.504,48.096

## Silkscreen, mask and mechanical layers (free items; w line width, h text height)
Top Overlay:
  drawing of 21 lines, arcs and shapes, not listed
  text "SET VOLTAGE" at 86.487,41.402 h0.8
  text "Power Supply / Simen Sollihogda / rev 7 / .Print_Date" at 40.259,36.068 h1
  text "SET CURRENT" at 86.25,12.75 h0.8
  text "OUTPT ON/OFF" at 13,4.3 h0.8
Bottom Overlay:
  text "-" at 83.185,6.731 h5 r180
  text "+" at 26.797,6.604 h5 r180
Board Outline:
  lines w0: 0,67 0,70 0,2 0,1.7 0,1.5 ccw(c1.207,1.5) 0.354,0.646 0.646,0.354 ; 0,70.293 cw(c1.707,70.293) 0.5,71.5 cw(c1.707,70.293) 1.707,72 2,72 5,72 29,72 40,72 40,70 ; 1.8,0 2,0 ; 98,72 95,72 71,72 60,72 60,70 ; 98.293,72 cw(c98.293,70.293) 99.5,71.5 cw(c98.293,70.293) 100,70.293 100,70 100,67 100,5 100,2 100,1.7 ; 100,1.707 cw(c98.293,1.707) 99.5,0.5 cw(c98.293,1.707) 98.293,0 98,0 95,0 70,0 70,10 68,12 37,12 35,10 35,0 2,0 ; 0.646,0.354 ccw(c1.5,1.207) 1.5,0 ; 0.646,0.354 ccw(c1.5,1.207) 1.5,0 ; 1.5,0 1.7,0 2,0 ; 40,70 41,69 ; 40,70 41,69 ; 41,69 59,69 ; 59,69 60,70 ; 59,69 60,70

## Text inside footprints (layer, text, board x,y; h text height)
U1: Top Overlay "*" at 44.334,21.154 h1.27 r90